# Altium PCB 10515.0500_Display_System（6拼版）_V1.0_20200907.PcbDoc (part 10 of 13)
Units mm, origin at the board's own origin, x right, y up, seen from the top; angles counter-clockwise.
Board outline 157 x 228.4 mm, 4 copper layers (Top Layer, Mid-Layer 1, Mid-Layer 2, Bottom Layer); 516 components, 0 nets, 1971 pads, 894 vias.
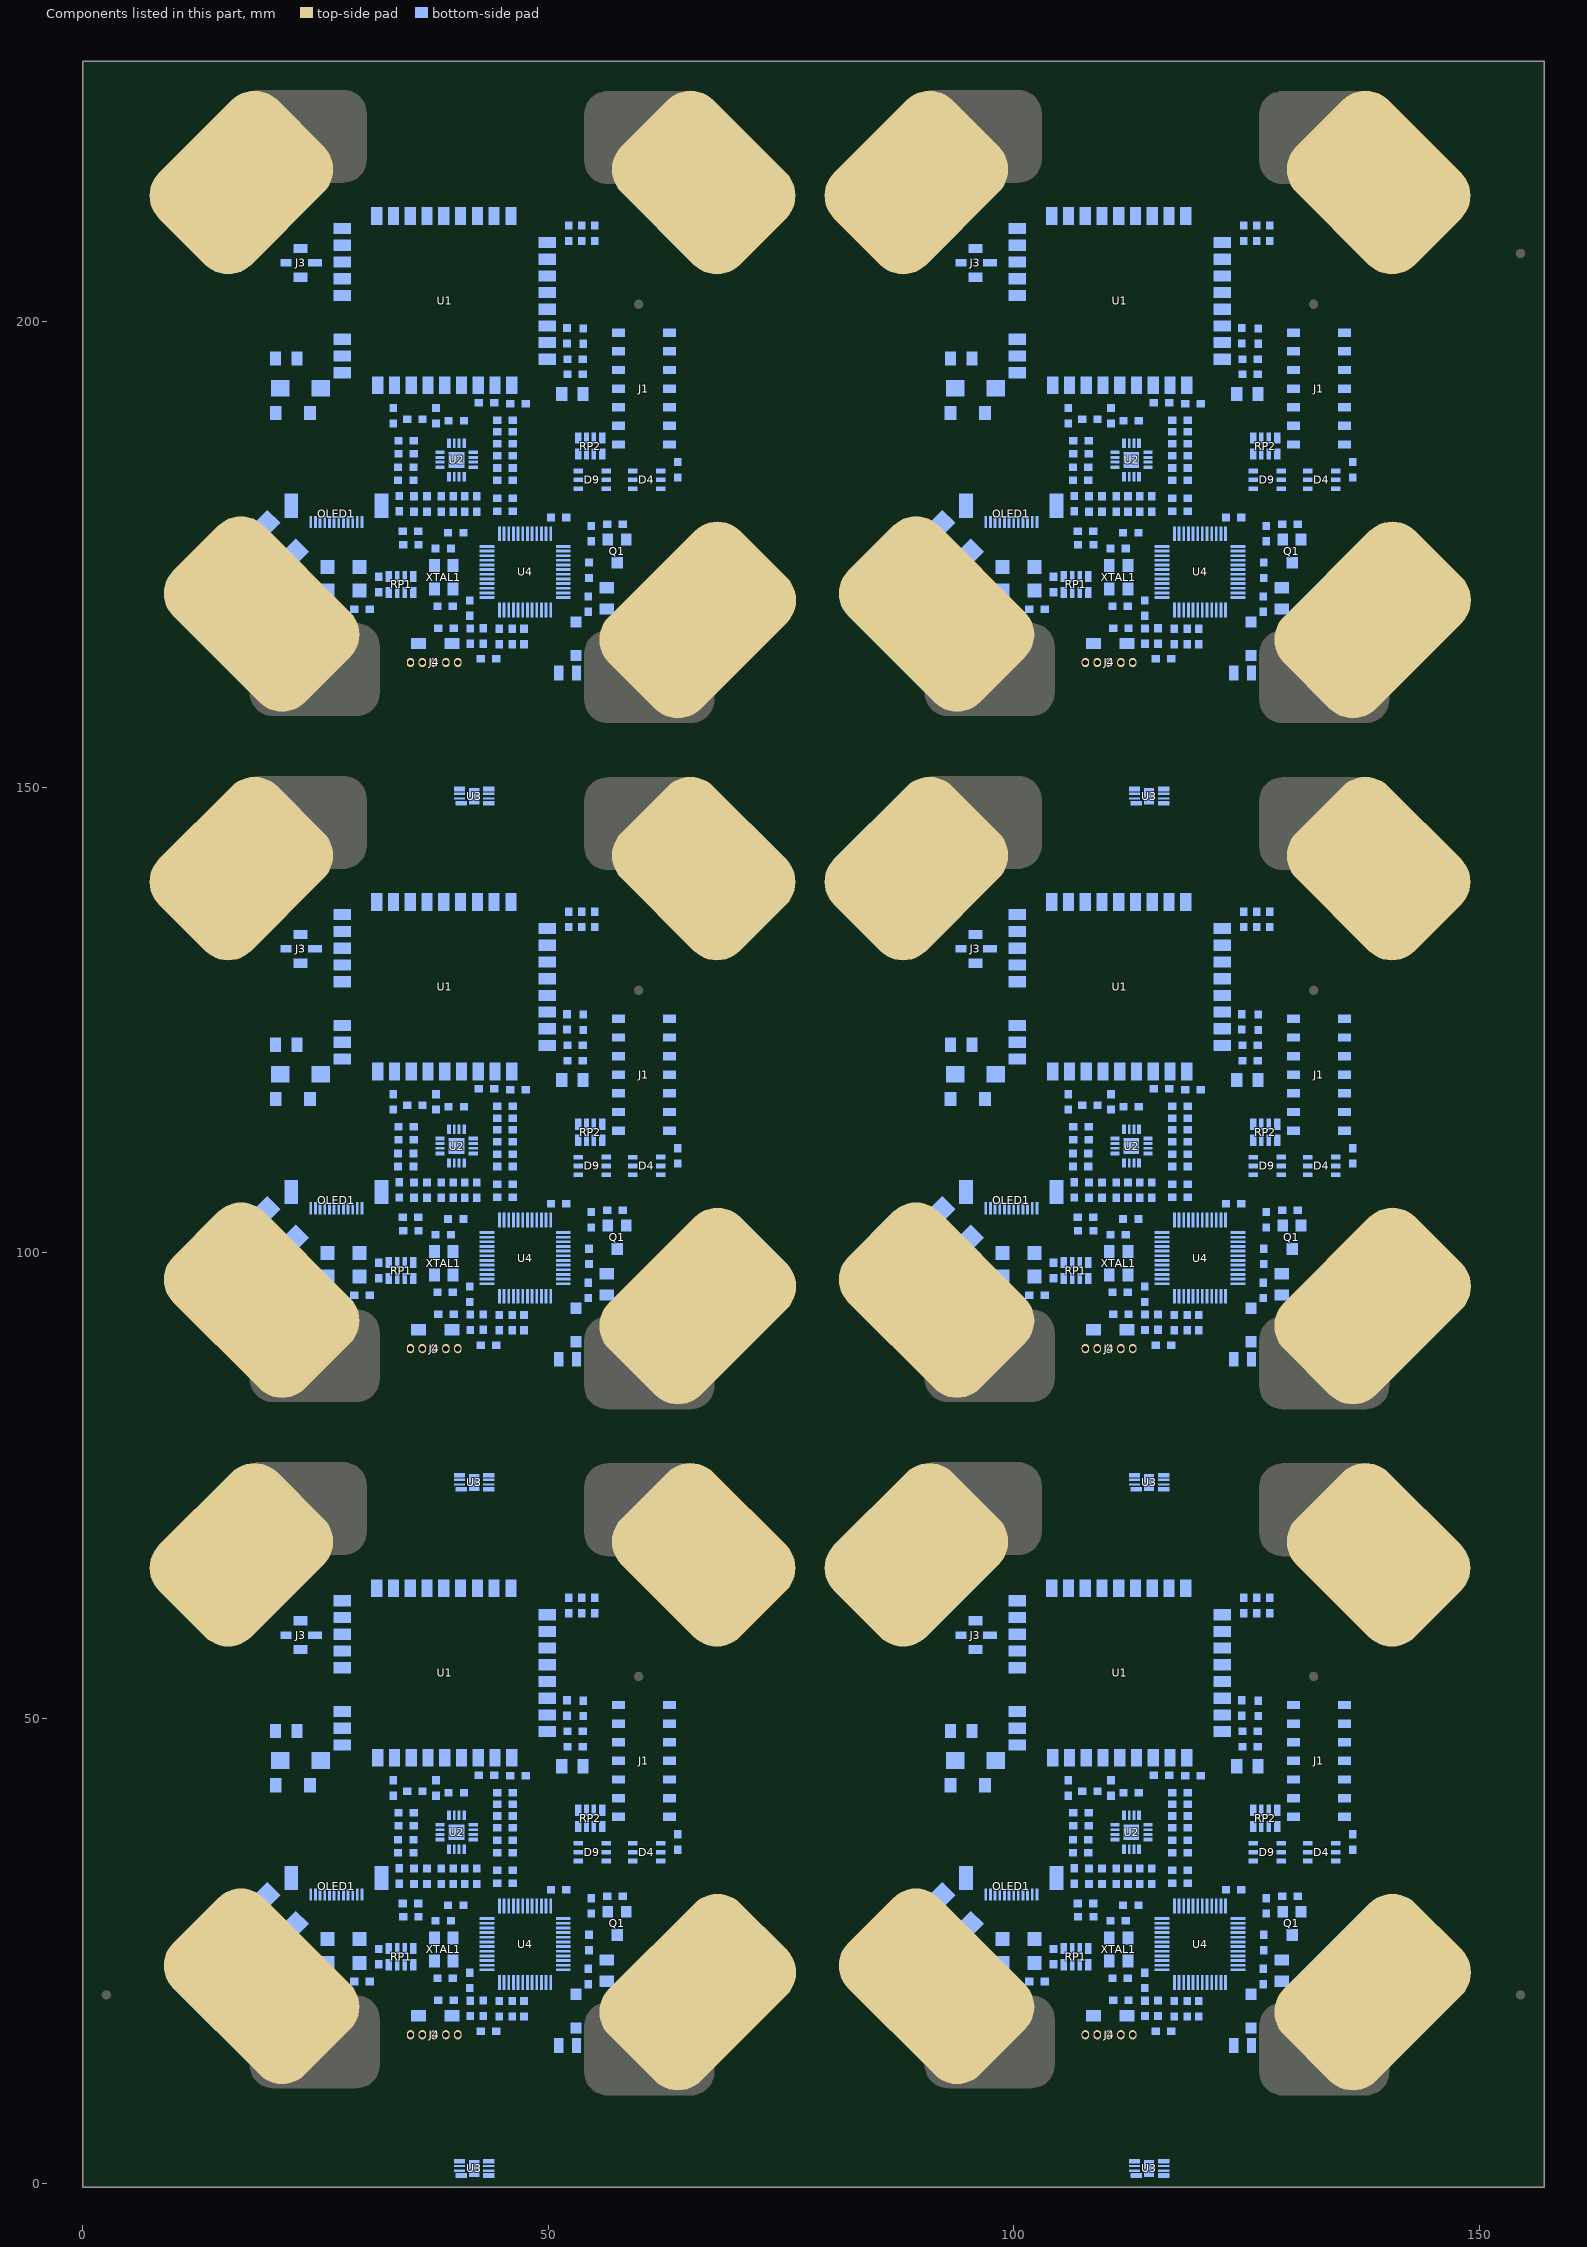
[diagram p12: the components of this part, seen from the top]

## Via types
v1: diameter 0.7, hole 0.4, Top Layer to Bottom Layer, tented both sides, 894 vias

## Nets (pads, with @x,y where several pads share a name; then routed paths per layer and width w, separated by ;. In a path a pad name is that pad's centre, name@x,y a point inside that pad or via, vN(x,y) a via of type N, cw(c..) or ccw(c..) an arc to the next point about the centre after c; other vN are vias at no path point) (continued)
copper on no net: (continued)
  Bottom Layer w0.45: 17.145,21.046 cw(c16.445,20.346) 17.435,20.346 cw(c18.425,20.346) 17.725,21.046 ; 17.145,94.746 cw(c16.445,94.046) 17.435,94.046 cw(c18.425,94.046) 17.725,94.746 ; 17.145,168.446 cw(c16.445,167.746) 17.435,167.746 cw(c18.425,167.746) 17.725,168.446 ; 17.435,21.463 17.435,20.32 18.07,19.685 28.484,19.685 29.183,20.383 ; 17.435,95.163 17.435,94.02 18.07,93.385 28.484,93.385 29.183,94.083 ; 17.435,168.863 17.435,167.72 18.07,167.085 28.484,167.085 29.183,167.783 ; 21.854,59.918 21.854,60.172 22.496,60.814 ; 21.854,133.618 21.854,133.872 22.496,134.514 ; 21.854,207.318 21.854,207.572 22.496,208.214 ; 21.956,60.273 cw(c22.926,59.303) 23.188,60.65 ; 21.956,133.973 cw(c22.926,133.003) 23.188,134.35 ; 21.956,207.673 cw(c22.926,206.703) 23.188,208.05 ; 22.88,60.458 ccw(c22.496,60.429) 22.496,60.814 ; 22.88,134.158 ccw(c22.496,134.129) 22.496,134.514 ; 22.88,207.858 ccw(c22.496,207.829) 22.496,208.214 ; 23.404,60.478 23.74,60.814 ; 23.404,134.178 23.74,134.514 ; 23.404,207.878 23.74,208.214 ; 23.531,60.602 cw(c24.043,60.089) 24.043,60.814 ; 23.531,134.302 cw(c24.043,133.789) 24.043,134.514 ; 23.531,208.002 cw(c24.043,207.489) 24.043,208.214 ; 23.849,60.284 cw(c25.129,59.003) 25.129,60.814 ; 23.849,133.984 cw(c25.129,132.703) 25.129,134.514 ; 23.849,207.684 cw(c25.129,206.403) 25.129,208.214 ; 24.954,58.928 25.04,59.014 27.898,59.014 ; 24.954,132.628 25.04,132.714 27.898,132.714 ; 24.954,206.328 25.04,206.414 27.898,206.414 ; 25.428,58.804 cw(c25.934,58.298) 25.934,59.014 ; 25.428,132.504 cw(c25.934,131.998) 25.934,132.714 ; 25.428,206.204 cw(c25.934,205.698) 25.934,206.414 ; 25.944,57.378 25.944,52.578 26.325,52.197 29.119,52.197 29.5,51.816 29.5,47.114 ; 25.944,131.078 25.944,126.278 26.325,125.897 29.119,125.897 29.5,125.516 29.5,120.814 ; 25.944,204.778 25.944,199.978 26.325,199.597 29.119,199.597 29.5,199.216 29.5,194.514 ; v1(26.452,48.895) 26.471,48.914 27.898,48.914 ; v1(26.452,122.595) 26.471,122.614 27.898,122.614 ; v1(26.452,196.295) 26.471,196.314 27.898,196.314 ; 27.283,48.649 ccw(c26.643,48.009) 26.643,48.914 ccw(c26.643,49.819) 27.283,49.179 ; 27.283,58.749 ccw(c26.643,58.109) 26.643,59.014 ccw(c26.643,59.919) 27.283,59.279 ; 27.283,60.549 ccw(c26.643,59.909) 26.643,60.814 ccw(c26.643,61.719) 27.283,61.079 ; 27.283,122.349 ccw(c26.643,121.709) 26.643,122.614 ccw(c26.643,123.519) 27.283,122.879 ; 27.283,132.449 ccw(c26.643,131.809) 26.643,132.714 ccw(c26.643,133.619) 27.283,132.979 ; 27.283,134.249 ccw(c26.643,133.609) 26.643,134.514 ccw(c26.643,135.419) 27.283,134.779 ; 27.283,196.049 ccw(c26.643,195.409) 26.643,196.314 ccw(c26.643,197.219) 27.283,196.579 ; 27.283,206.149 ccw(c26.643,205.509) 26.643,206.414 ccw(c26.643,207.319) 27.283,206.679 ; 27.283,207.949 ccw(c26.643,207.309) 26.643,208.214 ccw(c26.643,209.119) 27.283,208.479 ; 27.898,47.114 29.5,47.114 ; 27.898,60.814 23.74,60.814 ; 27.898,120.814 29.5,120.814 ; 27.898,134.514 23.74,134.514 ; 27.898,194.514 29.5,194.514 ; 27.898,208.214 23.74,208.214 ; 28.513,46.849 cw(c29.154,46.209) 29.154,47.114 cw(c29.154,48.019) 28.513,47.379 ; 28.513,120.549 cw(c29.154,119.909) 29.154,120.814 cw(c29.154,121.719) 28.513,121.079 ; 28.513,194.249 cw(c29.154,193.609) 29.154,194.514 cw(c29.154,195.419) 28.513,194.779 ; 29.055,21.589 cw(c28.745,21.279) 29.183,21.279 cw(c29.621,21.279) 29.311,21.589 ; 29.055,95.289 cw(c28.745,94.979) 29.183,94.979 cw(c29.621,94.979) 29.311,95.289 ; 29.055,168.989 cw(c28.745,168.679) 29.183,168.679 cw(c29.621,168.679) 29.311,168.989 ; 29.183,21.717 29.183,20.383 ; 29.183,95.417 29.183,94.083 ; 29.183,169.117 29.183,167.783 ; 29.358,24.095 ccw(c28.462,24.991) 29.729,24.991 ccw(c30.997,24.991) 30.101,24.095 ; 29.358,25.892 cw(c28.462,24.996) 29.729,24.996 cw(c30.997,24.996) 30.101,25.892 ; 29.358,97.795 ccw(c28.462,98.691) 29.729,98.691 ccw(c30.997,98.691) 30.101,97.795 ; 29.358,99.592 cw(c28.462,98.696) 29.729,98.696 cw(c30.997,98.696) 30.101,99.592 ; 29.358,171.495 ccw(c28.462,172.391) 29.729,172.391 ccw(c30.997,172.391) 30.101,171.495 ; 29.358,173.292 cw(c28.462,172.396) 29.729,172.396 cw(c30.997,172.396) 30.101,173.292 ; 29.729,23.851 29.729,26.391 ; 29.729,97.551 29.729,100.091 ; 29.729,171.251 29.729,173.791 ; 30.304,32.233 33.183,32.233 ; 30.304,105.933 33.183,105.933 ; 30.304,179.633 33.183,179.633 ; 30.736,32.233 ccw(c30.736,33.648) 31.737,32.647 ; 30.736,105.933 ccw(c30.736,107.348) 31.737,106.347 ; 30.736,179.633 ccw(c30.736,181.048) 31.737,180.047 ; 30.946,32.233 cw(c30.946,31.113) 31.737,31.905 ; 30.946,105.933 cw(c30.946,104.813) 31.737,105.605 ; 30.946,179.633 cw(c30.946,178.513) 31.737,179.305 ; v1(31.405,20.32) 29.246,20.32 29.183,20.383 ; v1(31.405,94.02) 29.246,94.02 29.183,94.083 ; v1(31.405,167.72) 29.246,167.72 29.183,167.783 ; 31.69,43.892 cw(c31.69,41.674) 33.259,43.242 ; 31.69,117.592 cw(c31.69,115.374) 33.259,116.942 ; 31.69,191.292 cw(c31.69,189.074) 33.259,190.642 ; 32.108,32.826 32.404,33.122 ; 32.108,106.526 32.404,106.822 ; 32.108,180.226 32.404,180.522 ; 32.404,32.233 33.183,32.233 ; 32.404,105.933 33.183,105.933 ; 32.404,179.633 33.183,179.633 ; 32.777,43.892 cw(c32.777,42.76) 33.577,43.56 ; 32.777,117.592 cw(c32.777,116.46) 33.577,117.26 ; 32.777,191.292 cw(c32.777,190.16) 33.577,190.96 ; 32.879,43.879 cw(c32.911,43.846) 32.911,43.892 ; 32.879,117.579 cw(c32.911,117.546) 32.911,117.592 ; 32.879,191.279 cw(c32.911,191.246) 32.911,191.292 ; 33.197,43.56 cw(c33.998,42.76) 33.998,43.892 ; 33.197,117.26 cw(c33.998,116.46) 33.998,117.592 ; 33.197,190.96 cw(c33.998,190.16) 33.998,191.292 ; 33.259,43.204 ccw(c32.949,42.894) 32.949,43.332 ccw(c32.949,43.77) 33.259,43.461 ; 33.259,116.904 ccw(c32.949,116.594) 32.949,117.032 ccw(c32.949,117.47) 33.259,117.161 ; 33.259,190.604 ccw(c32.949,190.294) 32.949,190.732 ccw(c32.949,191.17) 33.259,190.861 ; 33.516,41.553 cw(c33.825,41.243) 33.825,41.681 cw(c33.825,42.119) 33.516,41.81 ; 33.516,43.204 cw(c33.825,42.894) 33.825,43.332 cw(c33.825,43.77) 33.516,43.461 ; 33.516,43.242 cw(c35.084,41.674) 35.084,43.892 ; 33.516,115.253 cw(c33.825,114.943) 33.825,115.381 cw(c33.825,115.819) 33.516,115.51 ; 33.516,116.904 cw(c33.825,116.594) 33.825,117.032 cw(c33.825,117.47) 33.516,117.161 ; 33.516,116.942 cw(c35.084,115.374) 35.084,117.592 ; 33.516,188.953 cw(c33.825,188.643) 33.825,189.081 cw(c33.825,189.519) 33.516,189.21 ; 33.516,190.604 cw(c33.825,190.294) 33.825,190.732 cw(c33.825,191.17) 33.516,190.861 ; 33.516,190.642 cw(c35.084,189.074) 35.084,191.292 ; 33.754,39.7 ccw(c33.444,39.39) 33.444,39.828 ccw(c33.444,40.266) 33.754,39.956 ; 33.754,113.4 ccw(c33.444,113.09) 33.444,113.528 ccw(c33.444,113.966) 33.754,113.656 ; 33.754,187.1 ccw(c33.444,186.79) 33.444,187.228 ccw(c33.444,187.666) 33.754,187.356 ; 33.863,43.892 cw(c33.863,43.846) 33.895,43.879 ; 33.863,117.592 cw(c33.863,117.546) 33.895,117.579 ; 33.863,191.292 cw(c33.863,191.246) 33.895,191.279 ; 33.867,32.104 ccw(c33.557,31.795) 33.557,32.233 ccw(c33.557,32.671) 33.867,32.361 ; 33.867,105.804 ccw(c33.557,105.495) 33.557,105.933 ccw(c33.557,106.371) 33.867,106.061 ; 33.867,179.504 ccw(c33.557,179.195) 33.557,179.633 ccw(c33.557,180.071) 33.867,179.761 ; 33.92,39.828 32.471,39.828 31.786,40.513 31.786,42.926 32.193,43.332 33.387,43.332 37.959,43.332 38.416,43.332 38.771,43.688 ; 33.92,113.528 32.471,113.528 31.786,114.213 31.786,116.626 32.193,117.032 33.387,117.032 37.959,117.032 38.416,117.032 38.771,117.388 ; 33.92,187.228 32.471,187.228 31.786,187.913 31.786,190.326 32.193,190.732 33.387,190.732 37.959,190.732 38.416,190.732 38.771,191.088 ; 33.995,32.233 33.183,32.233 ; 33.995,105.933 33.183,105.933 ; 33.995,179.633 33.183,179.633 ; 34.398,41.681 ccw(c34.398,42.52) 35.021,41.959 ; 34.398,115.381 ccw(c34.398,116.22) 35.021,115.659 ; 34.398,189.081 ccw(c34.398,189.92) 35.021,189.359 ; 34.687,42.26 cw(c33.387,43.43) 33.387,41.681 34.402,41.681 34.86,42.139 ; 34.687,115.96 cw(c33.387,117.13) 33.387,115.381 34.402,115.381 34.86,115.839 ; 34.687,189.66 cw(c33.387,190.83) 33.387,189.081 34.402,189.081 34.86,189.539 ; 35.092,16.226 ccw(c34.793,16.524) 35.215,16.524 ccw(c35.638,16.524) 35.339,16.226 ; 35.092,89.926 ccw(c34.793,90.224) 35.215,90.224 ccw(c35.638,90.224) 35.339,89.926 ; 35.092,163.626 ccw(c34.793,163.924) 35.215,163.924 ccw(c35.638,163.924) 35.339,163.626 ; 35.215,16.002 35.215,17.167 36.082,18.034 36.082,19.155 36.612,19.685 38.2,19.685 ; 35.215,89.702 35.215,90.867 36.082,91.734 36.082,92.855 36.612,93.385 38.2,93.385 ; 35.215,163.402 35.215,164.567 36.082,165.434 36.082,166.555 36.612,167.085 38.2,167.085 ; 35.315,17.267 ccw(c34.789,17.794) 35.516,17.953 ; 35.315,90.967 ccw(c34.789,91.494) 35.516,91.653 ; 35.315,164.667 ccw(c34.789,165.194) 35.516,165.353 ; 35.817,18.299 ccw(c35.177,18.939) 36.082,18.939 ccw(c36.988,18.939) 36.347,18.299 ; 35.817,91.999 ccw(c35.177,92.639) 36.082,92.639 ccw(c36.988,92.639) 36.347,91.999 ; 35.817,165.699 ccw(c35.177,166.339) 36.082,166.339 ccw(c36.988,166.339) 36.347,165.699 ; 35.913,28.78 ccw(c35.603,29.09) 36.041,29.09 ccw(c36.479,29.09) 36.169,28.78 ; 35.913,29.971 cw(c35.603,29.661) 36.041,29.661 cw(c36.479,29.661) 36.169,29.971 ; 35.913,102.48 ccw(c35.603,102.79) 36.041,102.79 ccw(c36.479,102.79) 36.169,102.48 ; 35.913,103.671 cw(c35.603,103.361) 36.041,103.361 cw(c36.479,103.361) 36.169,103.671 ; 35.913,176.18 ccw(c35.603,176.49) 36.041,176.49 ccw(c36.479,176.49) 36.169,176.18 ; 35.913,177.371 cw(c35.603,177.061) 36.041,177.061 cw(c36.479,177.061) 36.169,177.371 ; 35.951,28.524 cw(c35.641,28.214) 36.079,28.214 cw(c36.517,28.214) 36.207,28.524 ; 35.951,102.224 cw(c35.641,101.914) 36.079,101.914 cw(c36.517,101.914) 36.207,102.224 ; 35.951,175.924 cw(c35.641,175.614) 36.079,175.614 cw(c36.517,175.614) 36.207,175.924 ; 36.041,28.69 36.041,30.099 ; 36.041,102.39 36.041,103.799 ; 36.041,176.09 36.041,177.499 ; v1(36.079,27.788) 36.079,28.652 ; v1(36.079,101.488) 36.079,102.352 ; v1(36.079,175.188) 36.079,176.052 ; 36.262,43.892 cw(c36.262,41.674) 37.831,43.242 ; 36.262,117.592 cw(c36.262,115.374) 37.831,116.942 ; 36.262,191.292 cw(c36.262,189.074) 37.831,190.642 ; 36.596,26.019 cw(c37.16,25.455) 37.596,26.123 ; 36.596,99.719 cw(c37.16,99.155) 37.596,99.823 ; 36.596,173.419 cw(c37.16,172.855) 37.596,173.523 ; 36.612,26.035 cw(c37.536,25.11) 37.808,26.389 ; 36.612,99.735 cw(c37.536,98.81) 37.808,100.089 ; 36.612,173.435 cw(c37.536,172.51) 37.808,173.789 ; 36.677,42.01 cw(c36.987,41.701) 36.987,42.139 cw(c36.987,42.577) 36.677,42.267 ; 36.677,115.71 cw(c36.987,115.401) 36.987,115.839 cw(c36.987,116.277) 36.677,115.967 ; 36.677,189.41 cw(c36.987,189.101) 36.987,189.539 cw(c36.987,189.977) 36.677,189.667 ; 36.833,45.149 cw(c36.193,44.509) 37.098,44.509 cw(c38.004,44.509) 37.363,45.149 ; 36.833,118.849 cw(c36.193,118.209) 37.098,118.209 cw(c38.004,118.209) 37.363,118.849 ; 36.833,192.549 cw(c36.193,191.909) 37.098,191.909 cw(c38.004,191.909) 37.363,192.549 ; 36.955,33.884 36.993,33.846 ; 36.955,107.584 36.993,107.545 ; 36.955,181.284 36.993,181.245 ; 36.988,26.411 cw(c37.47,25.93) 37.842,26.5 ; 36.988,100.111 cw(c37.47,99.63) 37.842,100.2 ; 36.988,173.811 cw(c37.47,173.33) 37.842,173.9 ; 37.098,43.997 37.098,45.764 ; 37.098,117.697 37.098,119.464 ; 37.098,191.397 37.098,193.164 ; 37.198,26.621 cw(c37.742,26.077) 37.902,26.829 ; 37.198,100.321 cw(c37.742,99.777) 37.902,100.529 ; 37.198,174.021 cw(c37.742,173.477) 37.902,174.229 ; 37.349,43.892 cw(c37.349,42.76) 38.149,43.56 ; 37.349,117.592 cw(c37.349,116.46) 38.149,117.26 ; 37.349,191.292 cw(c37.349,190.16) 38.149,190.96 ; 37.451,43.879 cw(c37.483,43.846) 37.483,43.892 ; 37.451,117.579 cw(c37.483,117.546) 37.483,117.592 ; 37.451,191.279 cw(c37.483,191.246) 37.483,191.292 ; 37.529,26.18 ccw(c36.993,25.69) 36.993,26.416 ; 37.529,26.652 cw(c36.993,27.142) 36.993,26.416 ; 37.529,99.88 ccw(c36.993,99.39) 36.993,100.116 ; 37.529,100.352 cw(c36.993,100.842) 36.993,100.116 ; 37.529,173.58 ccw(c36.993,173.09) 36.993,173.816 ; 37.529,174.052 cw(c36.993,174.542) 36.993,173.816 ; 37.54,23.544 cw(c36.942,22.946) 37.787,22.946 cw(c38.632,22.946) 38.035,23.544 ; 37.54,26.788 ccw(c36.652,27.677) 37.908,27.677 ; 37.54,97.244 cw(c36.942,96.646) 37.787,96.646 cw(c38.632,96.646) 38.035,97.244 ; 37.54,100.488 ccw(c36.652,101.377) 37.908,101.377 ; 37.54,170.944 cw(c36.942,170.346) 37.787,170.346 cw(c38.632,170.346) 38.035,170.944 ; 37.54,174.188 ccw(c36.652,175.077) 37.908,175.077 ; 37.596,42.139 cw(c37.596,41.357) 38.149,41.909 ; 37.596,115.839 cw(c37.596,115.057) 38.149,115.609 ; 37.596,189.539 cw(c37.596,188.757) 38.149,189.309 ; 37.769,43.56 cw(c38.57,42.76) 38.57,43.892 ; 37.769,117.26 cw(c38.57,116.46) 38.57,117.592 ; 37.769,190.96 cw(c38.57,190.16) 38.57,191.292 ; 37.779,28.116 cw(c37.47,27.806) 37.908,27.806 cw(c38.346,27.806) 38.036,28.116 ; 37.779,101.816 cw(c37.47,101.506) 37.908,101.506 cw(c38.346,101.506) 38.036,101.816 ; 37.779,175.516 cw(c37.47,175.206) 37.908,175.206 cw(c38.346,175.206) 38.036,175.516 ; 37.787,23.175 ccw(c39.2,23.175) 38.201,22.176 ; 37.787,23.916 37.787,22.372 38.111,22.048 ; 37.787,96.875 ccw(c39.2,96.875) 38.201,95.876 ; 37.787,97.616 37.787,96.072 38.111,95.748 ; 37.787,170.575 ccw(c39.2,170.575) 38.201,169.576 ; 37.787,171.316 37.787,169.772 38.111,169.448 ; 37.831,41.591 ccw(c36.511,40.273) 36.511,42.139 37.502,42.139 37.959,41.681 38.265,41.987 39.305,41.987 v1(39.305,42.774) ; 37.831,43.204 ccw(c37.521,42.894) 37.521,43.332 ccw(c37.521,43.77) 37.831,43.461 ; 37.831,115.291 ccw(c36.511,113.973) 36.511,115.839 37.502,115.839 37.959,115.381 38.265,115.687 39.305,115.687 v1(39.305,116.474) ; 37.831,116.904 ccw(c37.521,116.594) 37.521,117.032 ccw(c37.521,117.47) 37.831,117.161 ; 37.831,188.991 ccw(c36.511,187.673) 36.511,189.539 37.502,189.539 37.959,189.081 38.265,189.387 39.305,189.387 v1(39.305,190.174) ; 37.831,190.604 ccw(c37.521,190.294) 37.521,190.732 ccw(c37.521,191.17) 37.831,190.861 ; 38.028,43.538 ccw(c38.287,44.172) 38.771,43.688 ; 38.028,117.238 ccw(c38.287,117.872) 38.771,117.388 ; 38.028,190.938 ccw(c38.287,191.572) 38.771,191.088 ; 38.033,19.557 ccw(c37.724,19.247) 37.724,19.685 ccw(c37.724,20.123) 38.033,19.813 ; 38.033,93.257 ccw(c37.724,92.947) 37.724,93.385 ccw(c37.724,93.823) 38.033,93.513 ; 38.033,166.957 ccw(c37.724,166.647) 37.724,167.085 ccw(c37.724,167.523) 38.033,167.213 ; 38.088,41.591 cw(c39.043,40.636) 39.043,41.987 ; 38.088,43.242 cw(c39.656,41.674) 39.656,43.892 ; 38.088,115.291 cw(c39.043,114.336) 39.043,115.687 ; 38.088,116.942 cw(c39.656,115.374) 39.656,117.592 ; 38.088,188.991 cw(c39.043,188.036) 39.043,189.387 ; 38.088,190.642 cw(c39.656,189.074) 39.656,191.292 ; 38.121,43.289 cw(c38.771,42.959) 38.771,43.688 ; 38.121,116.989 cw(c38.771,116.659) 38.771,117.388 ; 38.121,190.689 cw(c38.771,190.359) 38.771,191.088 ; 38.127,28.244 cw(c39.518,28.244) 38.534,29.227 ; 38.127,101.944 cw(c39.518,101.944) 38.534,102.927 ; 38.127,175.644 cw(c39.518,175.644) 38.534,176.627 ; v1@38.307,30.183 ccw(c38.783,30.659) 39.124,30.078 ; v1@38.307,103.883 ccw(c38.783,104.359) 39.124,103.778 ; v1@38.307,177.583 ccw(c38.783,178.059) 39.124,177.478 ; 38.315,43.688 38.771,43.688 ; 38.315,117.388 38.771,117.388 ; 38.315,191.088 38.771,191.088 ; 38.435,43.892 cw(c38.435,43.846) 38.467,43.879 ; 38.435,117.592 cw(c38.435,117.546) 38.467,117.579 ; 38.435,191.292 cw(c38.435,191.246) 38.467,191.279 ; v1@38.657,29.972 cw(c38.657,29.363) 39.088,29.794 ; v1@38.657,103.672 cw(c38.657,103.063) 39.088,103.494 ; v1@38.657,177.372 cw(c38.657,176.763) 39.088,177.194 ; v1@38.718,29.771 ccw(c39.087,30.141) 39.352,29.69 ; v1@38.718,103.471 ccw(c39.087,103.841) 39.352,103.39 ; v1@38.718,177.171 ccw(c39.087,177.541) 39.352,177.09 ; 38.902,16.226 ccw(c38.603,16.524) 39.025,16.524 ccw(c39.448,16.524) 39.149,16.226 ; 38.902,89.926 ccw(c38.603,90.224) 39.025,90.224 ccw(c39.448,90.224) 39.149,89.926 ; 38.902,163.626 ccw(c38.603,163.924) 39.025,163.924 ccw(c39.448,163.924) 39.149,163.626 ; 39.025,16.002 39.025,17.377 39.851,18.202 39.851,19.685 41.541,19.685 41.565,19.71 41.565,21.018 ; 39.025,16.025 cw(c41.491,16.025) 39.747,17.769 ; 39.025,17.112 cw(c40.405,17.112) 39.429,18.087 ; 39.025,89.702 39.025,91.077 39.851,91.902 39.851,93.385 41.541,93.385 41.565,93.41 41.565,94.718 ; 39.025,89.725 cw(c41.491,89.725) 39.747,91.469 ; 39.025,90.812 cw(c40.405,90.812) 39.429,91.787 ; 39.025,163.402 39.025,164.777 39.851,165.602 39.851,167.085 41.541,167.085 41.565,167.11 41.565,168.418 ; 39.025,163.425 cw(c41.491,163.425) 39.747,165.169 ; 39.025,164.512 cw(c40.405,164.512) 39.429,165.487 ; 39.138,41.859 ccw(c38.829,41.549) 38.829,41.987 ccw(c38.829,42.425) 39.138,42.115 ; 39.138,115.559 ccw(c38.829,115.249) 38.829,115.687 ccw(c38.829,116.125) 39.138,115.815 ; 39.138,189.259 ccw(c38.829,188.949) 38.829,189.387 ccw(c38.829,189.825) 39.138,189.515 ; 39.152,29.337 v1(38.517,29.972) 39.204,29.972 39.254,29.922 ; 39.152,103.037 v1(38.517,103.672) 39.204,103.672 39.254,103.622 ; 39.152,176.737 v1(38.517,177.372) 39.204,177.372 39.254,177.322 ; 39.176,42.115 ccw(c38.867,42.425) 39.305,42.425 ccw(c39.743,42.425) 39.433,42.115 ; 39.176,115.815 ccw(c38.867,116.125) 39.305,116.125 ccw(c39.743,116.125) 39.433,115.815 ; 39.176,189.515 ccw(c38.867,189.825) 39.305,189.825 ccw(c39.743,189.825) 39.433,189.515 ; 39.43,28.116 cw(c39.121,27.806) 39.559,27.806 cw(c39.997,27.806) 39.687,28.116 ; 39.43,101.816 cw(c39.121,101.506) 39.559,101.506 cw(c39.997,101.506) 39.687,101.816 ; 39.43,175.516 cw(c39.121,175.206) 39.559,175.206 cw(c39.997,175.206) 39.687,175.516 ; 39.54,23.544 cw(c38.942,22.946) 39.787,22.946 cw(c40.632,22.946) 40.035,23.544 ; 39.54,97.244 cw(c38.942,96.646) 39.787,96.646 cw(c40.632,96.646) 40.035,97.244 ; 39.54,170.944 cw(c38.942,170.346) 39.787,170.346 cw(c40.632,170.346) 40.035,170.944 ; 39.559,27.938 ccw(c41.184,27.938) 40.035,26.788 ; 39.559,28.244 39.559,26.645 39.787,26.416 ; 39.559,101.638 ccw(c41.184,101.638) 40.035,100.488 ; 39.559,101.944 39.559,100.345 39.787,100.116 ; 39.559,175.338 ccw(c41.184,175.338) 40.035,174.188 ; 39.559,175.644 39.559,174.045 39.787,173.816 ; 39.617,18.299 ccw(c39.053,18.863) 39.851,18.863 ; 39.617,91.999 ccw(c39.053,92.563) 39.851,92.563 ; 39.617,165.699 ccw(c39.053,166.263) 39.851,166.263 ; 39.634,21.92 cw(c39.324,21.61) 39.762,21.61 cw(c40.2,21.61) 39.89,21.92 ; 39.634,95.62 cw(c39.324,95.31) 39.762,95.31 cw(c40.2,95.31) 39.89,95.62 ; 39.634,169.32 cw(c39.324,169.01) 39.762,169.01 cw(c40.2,169.01) 39.89,169.32 ; 39.672,22.176 ccw(c39.393,22.455) 39.787,22.455 ; 39.672,95.876 ccw(c39.393,96.155) 39.787,96.155 ; 39.672,169.576 ccw(c39.393,169.855) 39.787,169.855 ; 39.723,19.557 cw(c39.413,19.247) 39.851,19.247 cw(c40.289,19.247) 39.979,19.557 ; 39.723,93.257 cw(c39.413,92.947) 39.851,92.947 cw(c40.289,92.947) 39.979,93.257 ; 39.723,166.957 cw(c39.413,166.647) 39.851,166.647 cw(c40.289,166.647) 39.979,166.957 ; 39.762,22.048 39.762,21.438 39.279,20.955 36.993,20.955 36.485,21.463 36.485,25.908 36.993,26.416 ; 39.762,95.748 39.762,95.138 39.279,94.655 36.993,94.655 36.485,95.163 36.485,99.608 36.993,100.116 ; 39.762,169.448 39.762,168.838 39.279,168.355 36.993,168.355 36.485,168.863 36.485,173.308 36.993,173.816 ; 39.787,22.073 39.787,23.916 ; 39.787,22.517 ccw(c40.269,22.517) 39.928,22.176 ; 39.787,29.337 38.644,29.337 37.908,28.6 37.908,28.244 37.908,26.536 37.787,26.416 36.993,26.416 ; 39.787,95.773 39.787,97.616 ; 39.787,96.217 ccw(c40.269,96.217) 39.928,95.876 ; 39.787,103.037 38.644,103.037 37.908,102.3 37.908,101.944 37.908,100.236 37.787,100.116 36.993,100.116 ; 39.787,169.473 39.787,171.316 ; 39.787,169.917 ccw(c40.269,169.917) 39.928,169.576 ; 39.787,176.737 38.644,176.737 37.908,176 37.908,175.644 37.908,173.936 37.787,173.816 36.993,173.816 ; 39.851,19.015 ccw(c40.864,19.015) 40.147,18.299 ; 39.851,92.715 ccw(c40.864,92.715) 40.147,91.999 ; 39.851,166.415 ccw(c40.864,166.415) 40.147,165.699 ; 40.017,19.557 cw(c40.327,19.247) 40.327,19.685 cw(c40.327,20.123) 40.017,19.813 ; 40.017,93.257 cw(c40.327,92.947) 40.327,93.385 cw(c40.327,93.823) 40.017,93.513 ; 40.017,166.957 cw(c40.327,166.647) 40.327,167.085 cw(c40.327,167.523) 40.017,167.213 ; 40.136,43.892 cw(c40.136,42.894) 40.842,43.6 